# Altium PCB ETRX_Shield_II.PcbDoc (part 1 of 2) (continued)
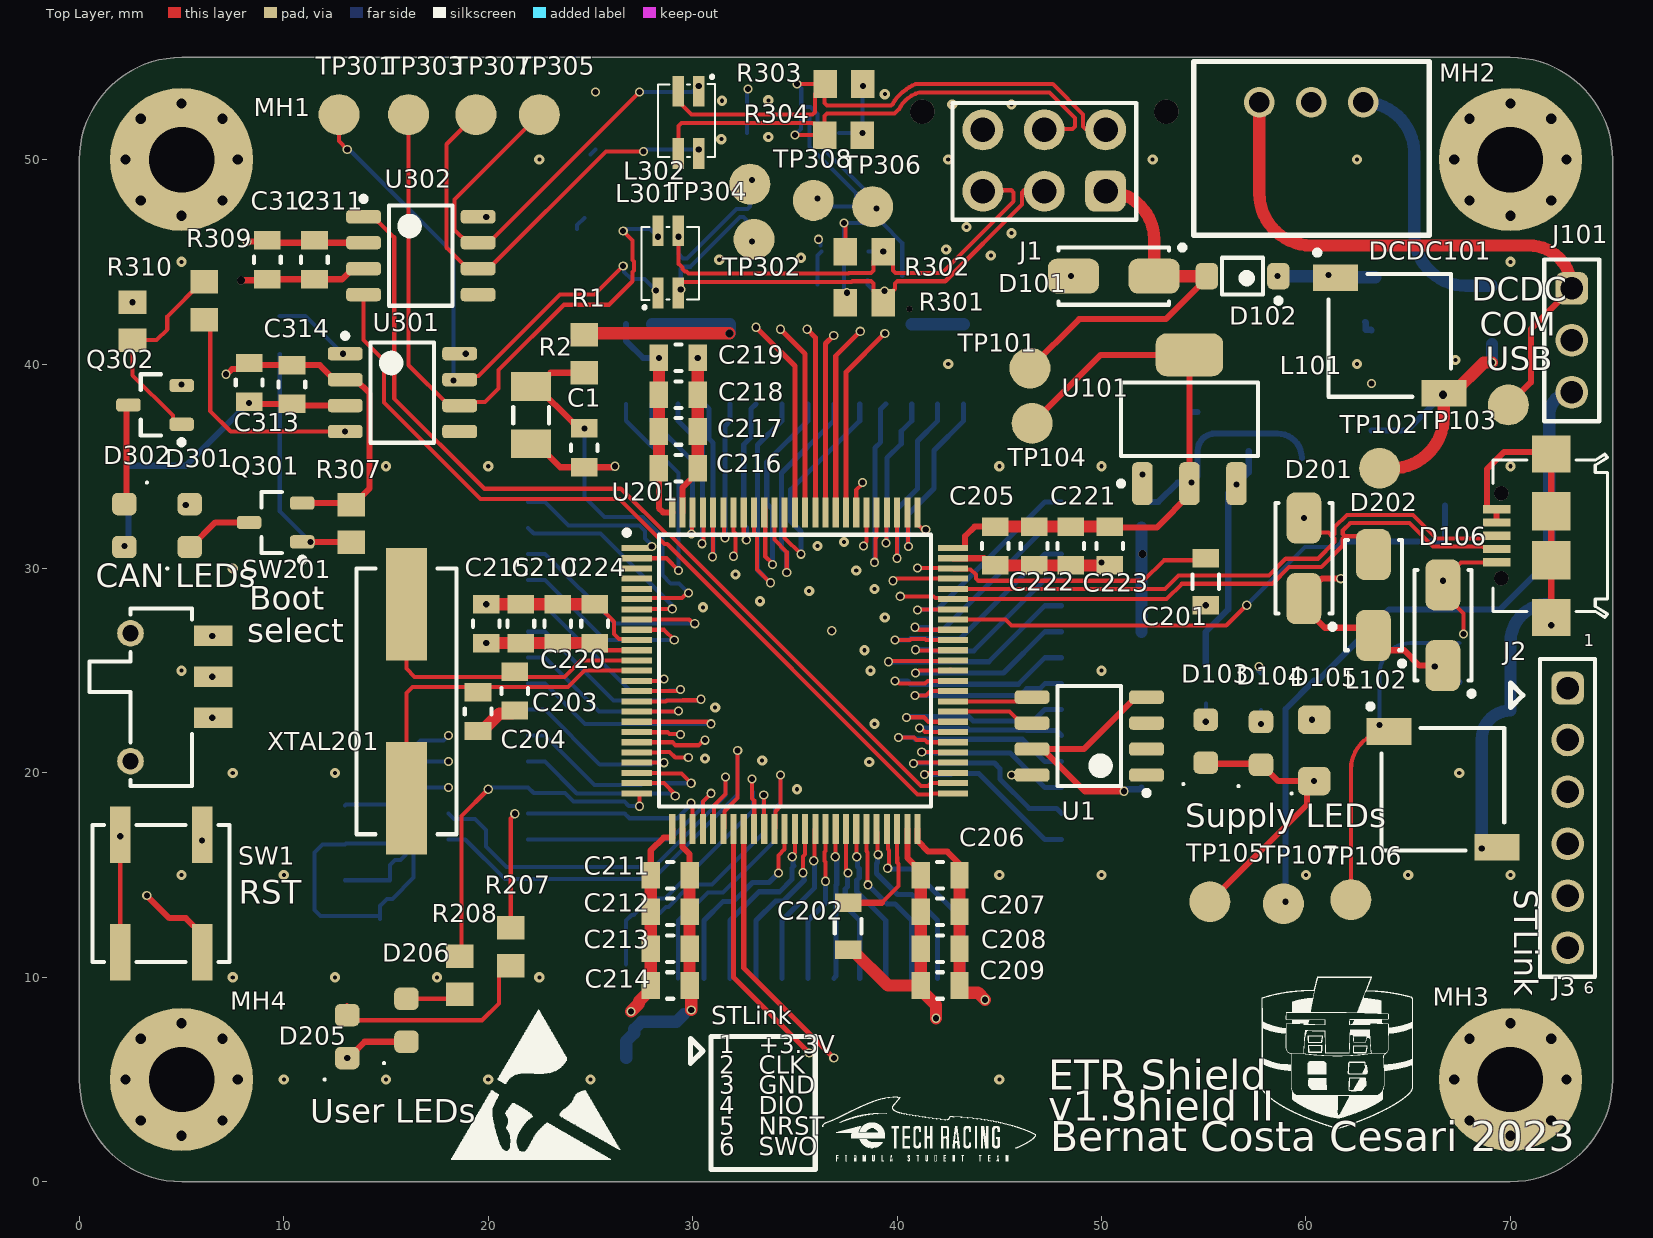
[diagram p0: Top Layer view]
## Components (designator, comment, footprint, x,y, rotation, side; value= is the part's Value field where it differs from the comment)
C1 "885012207098" C0805FNPC-R 24.7,35.9 r270 top
C2 "885012208058" C1206FNPC-RW 4.7,14 r180 bottom
C101 "10uF" C0805FNPC-W 61.1,43.2 r270 bottom
C102 "10uF" C0805FNPC-W 63.4,43.1 r270 bottom
C103 "10uF" C0805FNPC-W 63.2,37.9 r90 bottom
C104 "885012107014" C0805FNPC-R 57.2,36.7 r90 bottom
C105 "885012107014" C0805FNPC-R 54.7,36.7 r270 bottom
C106 "885012207098" C0805FNPC-R 65.1,25.4 r270 bottom
C107 "885012207103" C0805FNPC-R 67.5,25.4 r270 bottom
C108 "10uF" C0805FNPC-W 63.6,21.2 r270 bottom
C109 "10uF" C0805FNPC-W 70,21.9 r270 bottom
C201 "2.2uF" C0805FNPC-W 55.1,29.35 r270 top
C202 "2.2uF" C0805FNPC-W 37.6,12.5 r270 top
C203 "885012007052" C0805FNPC-R 21.3,24 r90 top
C204 "885012007052" C0805FNPC-R 19.5,23 r90 top
C205 "885012207098" C0805FNPC-R 44.8,31.1 r270 top
C206 "885012207098" C0805FNPC-R 42.1,15 r180 top
C207 "885012207098" C0805FNPC-R 42.1,13.2 r180 top
C208 "885012207098" C0805FNPC-R 42.1,11.4 r180 top
C209 "885012207098" C0805FNPC-R 42.1,9.6 r180 top
C210 "885012207098" C0805FNPC-R 21.6,27.3 r90 top
C211 "885012207098" C0805FNPC-R 28.9,15 r180 top
C212 "885012207098" C0805FNPC-R 28.9,13.2 r180 top
C213 "885012207098" C0805FNPC-R 28.9,11.4 r180 top
C214 "885012207098" C0805FNPC-R 28.9,9.6 r180 top
C215 "885012207098" C0805FNPC-R 19.9,27.3 r90 top
C216 "885012207098" C0805FNPC-R 29.3,34.9 r0 top
C217 "885012207098" C0805FNPC-R 29.3,36.7 r0 top
C218 "885012207098" C0805FNPC-R 29.3,38.5 r0 top
C219 "885012207098" C0805FNPC-R 29.3,40.3 r0 top
C220 "885012207098" C0805FNPC-R 23.4,27.3 r90 top
C221 "885012207098" C0805FNPC-R 48.5,31.1 r270 top
C222 "885012207098" C0805FNPC-R 46.7,31.1 r270 top
C223 "885012207098" C0805FNPC-R 50.4,31.1 r270 top
C224 "885012207098" C0805FNPC-R 25.2,27.3 r90 top
C225 "885012207103" C0805FNPC-R 15,17.5 r270 bottom
C226 "885012207098" C0805FNPC-R 12.8,17.4 r270 bottom
C227 "885012207103" C0805FNPC-R 14.7,13.8 r270 bottom
C228 "885012207098" C0805FNPC-R 12.7,13.8 r270 bottom
C231 "885012207098" C0805FNPC-R 64,30.4 r270 bottom
C232 "885012207103" C0805FNPC-R 61.7,30.45 r270 bottom
C301 "885012007057" C0805FNPC-W 25.5,44.7 r180 bottom
C302 "885012007057" C0805FNPC-W 25.5,46.6 r0 bottom
C303 "885012007057" C0805FNPC-W 37.4,44.1 r180 bottom
C304 "885012007057" C0805FNPC-W 37.4,45.8 r180 bottom
C305 "885012007057" C0805FNPC-W 41.4,44.3 r180 bottom
C306 "885012007057" C0805FNPC-W 26.4,53.3 r180 bottom
C307 "885012007057" C0805FNPC-W 26.4,50.5 r0 bottom
C308 "885012007057" C0805FNPC-W 33.9,53.5 r180 bottom
C309 "885012007057" C0805FNPC-W 33.8,51.3 r180 bottom
C310 "885012007057" C0805FNPC-W 38.3,51.3 r180 bottom
C311 "885012207098" C0805FNPC-R 11.5,45.1 r90 top
C312 "885012207098" C0805FNPC-R 9.2,45.1 r90 top
C313 "885012207098" C0805FNPC-R 8.3,39.1 r90 top
C314 "885012207098" C0805FNPC-R 10.4,39 r90 top
D101 "824501261" DTVS-DO-214AC 50.6,44.3 r0 top
D102 "MBR0530" DSC-SOD123 56.9,44.3 r180 top
D103 "150080GS75000" LED_0805_WE 55.1,21.55 r90 top
D104 "150080GS75000" LED_0805_WE 57.8,21.45 r90 top
D105 "150120BS75000" LED_1206_WE 60.4,21.1 r90 top
D106 "824501131" DTVS-DO-214AC 66.7,27.225 r270 top
D201 "824501600" DTVS-DO-214AC 59.9,30.5 r270 top
D202 "824501600" DTVS-DO-214AC 63.3,28.7 r270 top
D205 "150080RS75000" LED_0805_WE 13.1,7.1 r90 top
D206 "150080RS75000" LED_0805_WE 16,7.9 r90 top
D301 "150080YS75000" LED_0805_WE 5.4,32.1 r90 top
D302 "150080YS75000" LED_0805_WE 2.2,32.1 r270 top
DCDC101 "173010542" DCDC_Magi3c 60.26,52.8 r0 top
F101 "0437001.WRA" Fuse_1206 69.1,42.4 r90 bottom
F102 "0437001.WRA" Fuse_1206 71.9,29.7 r90 bottom
J1 "Molex Micro Fit 2x3" J_MicroFit_2x3_V 47.2,50.4 r0 top
J2 "629105136821" 629105136821 72,31.6 r90 top
J3 "6 pin header" 61300611121 72.8,17.8 r270 top
J4 "62132821021" 62132821021 20,25 r90 bottom locked
J5 "62132821021" 62132821021 35,8 r0 bottom
J6 "62132821021" 62132821021 50,25 r270 bottom locked
J7 "62132821021" 62132821021 35,40 r0 bottom locked
J101 "3 pin header" J_PINHEADER_1x3 73,41.16 r270 top
L101 "47uH" L_47u-490mA_CF 64.1,41.4 r0 top
L102 "47uH" L_47u-490mA_CF 66.7,19.2 r0 top
L301 "DLW32SH510XF2" "CMC-51uH Choke" 28.8,45 r90 top
L302 "DLW32SH510XF2" "CMC-51uH Choke" 29.8,51.825 r270 top
MH1 "Mounting_Hole_M3" Mounting_Hole_M3 5,50 r0 top
MH2 "Mounting_Hole_M3" Mounting_Hole_M3 70,50 r0 top
MH3 "Mounting_Hole_M3" Mounting_Hole_M3 70,5 r0 top
MH4 "Mounting_Hole_M3" Mounting_Hole_M3 5,5 r0 top
Q301 "BC817-25LT1G" TRT-NPN-0.5/45-SOT23 9.6,32.25 r180 top
Q302 "BC817-25LT1G" TRT-NPN-0.5/45-SOT23 3.7,38 r180 top
R1 "549kR" R0805FTK 24.7,40.5 r270 top
R2 "CR1206AFX-6802EAS" R1206FTK-W 22.1,37.5 r270 top
R101 "CR0805-FX-4700GLF" R0805FTK 55.1,24.325 r270 bottom
R102 "CR0805-FX-1000ELF" R0805FTK 57.8,24 r270 bottom
R103 "CR0805-FX-4700GLF" R0805FTK 60.5,23.6 r90 bottom
R201 "620kR" R0805FTK 66.7,30.4 r90 bottom
R202 "430kR" R0805FTK 66.8,34 r90 bottom
R203 "CRCW12061K60FKEA" R1206FTK-W 59.8,34 r90 bottom
R207 "CR0805-FX-1000ELF" R0805FTK 21.1,11.5 r90 top
R208 "CR0805-FX-1000ELF" R0805FTK 18.6,10.1 r90 top
R301 "R60-0805FTN" R0805FTK 38.4,43 r0 top value=60R
R302 "R60-0805FTN" R0805FTK 38.4,45.5 r0 top value=60R
R303 "R60-0805FTN" R0805FTK 37.4,53.7 r180 top value=60R
R304 "R60-0805FTN" R0805FTK 37.375,51.2 r180 top value=60R
R305 "CR0805-FX-4700GLF" R0805FTK 5.1,34.1 r270 bottom
R306 "47k" R0805FTK 9.8,41.425 r270 bottom
R307 "22kR" R0805FTK 13.3,32.2 r90 top
R308 "CR0805-FX-4700GLF" R0805FTK 2.4,34.1 r270 bottom
R309 "47k" R0805FTK 6.1,43.1 r90 top
R310 "22kR" R0805FTK 2.6,42.1 r90 top
SW1 "430773034825" WS-TASV_L6W6H3.4_4307x30348xx 4,14.1 r90 top
SW201 "450405020524" 450405020524 4,23.7 r270 top
TP101 "TestPoint" TestPoint 46.5,39.8 r90 top
TP102 "TestPoint" TestPoint 63.6,34.9 r90 top
TP103 "TestPoint" TestPoint 69.9,38 r90 top
TP104 "TestPoint" TestPoint 46.6,37.1 r90 top
TP105 "TestPoint" TestPoint 55.3,13.7 r90 top
TP106 "TestPoint" TestPoint 62.2,13.8 r90 top
TP107 "TestPoint" TestPoint 58.9,13.6 r90 top
TP301 "TestPoint" TestPoint 12.7,52.2 r90 top
TP302 "TestPoint" TestPoint 33,46.1 r90 top
TP303 "TestPoint" TestPoint 16.1,52.2 r90 top
TP304 "TestPoint" TestPoint 32.8,48.8 r90 top
TP305 "TestPoint" TestPoint 22.5,52.2 r90 top
TP306 "TestPoint" TestPoint 38.8,47.7 r90 top
TP307 "TestPoint" TestPoint 19.4,52.2 r90 top
TP308 "TestPoint" TestPoint 35.9,48 r90 top
U1 "24AA024H-I/SN" "SOIC, 8-Leads 1,27mm" 49.4,21.8 r180 top
U101 "LM1117IMP-3.3/NOPB" LDO_10V-0.8/3V3-SOT223 54.3,37.3 r90 top
U201 "STM32F777VIT6" QFP50P1600X1600X160-100N 35,25 r0 top locked
U301 "MCP2551 I/SN" "SOIC, 8-Leads 1,27mm" 15.8,38.6 r0 top
U302 "MCP2551 I/SN" "SOIC, 8-Leads 1,27mm" 16.7,45.3 r0 top
XTAL201 "830028710" XTAL20M_SMD 16,23.5 r90 top

## Footprints (in the part's own frame and the unit in brackets; to place one, negate y for a bottom-side part, rotate by r counter-clockwise, add the part's x,y. Pads: shape width x height; smd on the part's side, far side on the other; paste and mask are expansions set on the pad)
61300611121 [mm] "Pin Header, pitch 2.54 mm, THT, Vertical, single row, 6p"
  rrect50% 1.6x1.6 hole 1.1: 1(-6.35,0)
  round 1.6 hole 1.1: 2(-3.81,0) 3(-1.27,0) 4(1.27,0) 5(3.81,0) 6(6.35,0)
  silkscreen extent -7.77,-1.35 7.77,1.35, body extent -7.62,-1.27 7.62,1.27, height 8.57
62132821021 [mm] "Pin Header, pitch 1.27 mm, SMD, Vertical, dual row, 28p"
  rect 0.75x2.4 smd: 1(-8.255,-1.95) 2(-8.255,1.95) 3(-6.985,-1.95) 4(-6.985,1.95) 5(-5.715,-1.95) 6(-5.715,1.95) 7(-4.445,-1.95) 8(-4.445,1.95) 9(-3.175,-1.95) 10(-3.175,1.95) 11(-1.905,-1.95) 12(-1.905,1.95) 13(-0.635,-1.95) 14(-0.635,1.95) 15(0.635,-1.95) 16(0.635,1.95) 17(1.905,-1.95) 18(1.905,1.95) 19(3.175,-1.95) 20(3.175,1.95) 21(4.445,-1.95) 22(4.445,1.95) 23(5.715,-1.95) 24(5.715,1.95) 25(6.985,-1.95) 26(6.985,1.95) 27(8.255,-1.95) 28(8.255,1.95)
  body extent -8.89,-2.55 8.89,2.55, height 5.9
450405020524 [mm] "SMT Mini Slide Switch, Same side connection"
  rect 1x1.9 smd: COM(1,2.55) L1(-3,2.55) L2(-1,2.55)
  round 1.3 hole 0.8: MH1(-3.125,-1.5) MH2(3.125,-1.5)
  silkscreen extent -4.35,-3.5 4.35,1.5, body extent -4.45,-3.5 4.45,3.05, height 1.98
629105136821 [mm] "Micro USB 2.0 SMT Type B Horizontal 5 Contacts"
  rect 0.4x1.35 smd: 1(-1.3,2.675) 2(-0.65,2.675) 3(0,2.675) 4(0.65,2.675) 5(1.3,2.675)
  round 0.7 hole 0.7 unplated: MH1(-2.075,2.45) MH2(2.075,2.45)
  rect 1.8x1.9 smd: Shell(-4,0) Shell(4,0)
  rect 1.9x1.9 smd: Shell(-1.2,0) Shell(1.2,0)
  silkscreen extent -4,-2.75 4,2.85, body extent -4,-2.73 4,3.17, height 2.69
C0805FNPC-R [mm]
  rect 0.9x1.3 smd: 1(-0.95,0) 2(0.95,0)
  silkscreen extent -0.15,-0.65 0.15,0.65, body extent -1.03,-0.63 0.97,0.63, height 0.96
C0805FNPC-W [mm]
  rect 0.9x1.3 smd: 1(-1.15,0) 2(1.15,0)
  silkscreen extent -0.35,-0.65 0.35,0.65, body extent -1,-0.63 1,0.63, height 0.96
C1206FNPC-RW [mm] "Chip Capacitor, 2-Leads, Body 3,20x1,60mm, IPC Medium Density"
  rect 1.2x1.6 smd: 1(-1.55,0) 2(1.55,0)
  silkscreen extent -0.35,-0.7 0.35,0.7, body extent -1.59,-0.77 1.61,0.83, height 0.91
"CMC-51uH Choke" [mm]
  rect 1.5x0.55 smd: 1(-1.525,0.5) 2(1.525,0.5) 3(1.525,-0.5) 4(-1.525,-0.5)
  silkscreen extent -2.25,-1.5 1.7,1.3
DCDC_Magi3c [mm]
  round 1.5 hole 1: 1(2.54,0) 2(0,0) 3(-2.54,0)
  silkscreen extent -5.75,-6.5 5.77,2, body extent -5.8,-6.5 5.8,2, height 10.2
DSC-SOD123 [mm] "SOIC, 2-Leads, Body 1,60x2,69mm, Pitch 1,27mm, IPC Low Density"
  rrect50% 1.1x1.3 smd: A(1.75,0) K(-1.75,0)
  silkscreen extent -1.88,-0.9 1,1.32, body extent -1.86,-0.8 1.86,0.8, height 1.36
DTVS-DO-214AC [mm] "Molded Diode, 2-Leads, Body 5,11x2,67mm, IPC Medium Density"
  rrect50% 2.5x1.7 smd: 1(-1.975,0) 2(1.975,0)
  silkscreen extent -2.7,-1.4 3.48,1.52, body extent -2.56,-1.34 2.56,1.34, height 2.5
Fuse_1206 [mm] "Chip Resistor, 2-Leads, Body 3,20x1,58mm, IPC Medium Density"
  rrect50% 1.25x1.75 smd: 1(-1.425,0) 2(1.425,0)
  silkscreen extent -0.4,-0.77 0.4,0.77, body extent -1.6,-0.79 1.6,0.79, height 0.86
J_MicroFit_2x3_V [mm]
  rrect50% 2x2 hole 1.2: 1(3,-1.944)
  round 2 hole 1.2: 2(0,-1.944) 3(-3,-1.944) 4(3,1.055) 5(0,1.055) 6(-3,1.055)
  round 1.2 hole 1.2: 7(-5.969,1.944) 7(5.969,1.944)
  silkscreen extent -4.5,-3.34 4.5,2.37, body extent -6.57,-4.41 6.58,4.36, height 9.92
J_PINHEADER_1x3 [mm] "Pin Header, pitch 2.54 mm, THT, Vertical, single row, 3p"
  rrect50% 1.6x1.6 hole 1.1: 1(-2.54,0)
  round 1.6 hole 1.1: 2(0,0) 3(2.54,0)
  silkscreen extent -3.96,-1.35 3.96,1.35, body extent -3.81,-1.27 3.81,1.27, height 8.57
L_47u-490mA_CF [mm] "Precision Wire Wound Inductor, 2-Leads, Body 5,80x5,80mm, IPC Medium Density"
  rect 2.2x1.3 smd: 1(-2.65,2.825) 2(2.643,-2.832)
  silkscreen extent -3.67,-3 3,4.17, body extent -3,-3 3,3, height 2.5
LDO_10V-0.8/3V3-SOT223 [mm] "SOT223, 4-Leads, Body 6,50x7,00mm (avg), Pitch 2,30mm, IPC Low Density"
  rrect50% 2.1x1 smd: 1(-3.15,2.3) 2(-3.15,0) 3(-3.15,-2.3)
  rrect50% 2.1x3.3 smd: 4(3.15,0)
  silkscreen extent -3.27,-3.35 1.8,3.47, body extent -3.5,-3.25 3.5,3.25, height 1.81
LED_0805_WE [mm] "SODFL, 2-Leads, Body 1,60x3,20mm, IPC Medium Density"
  rrect50% 1.1x1.2 smd: A(1.05,0) K(-1.05,0)
  silkscreen extent -2.15,1.05 -2.05,1.15, body extent -1,-0.62 1,0.63, height 0.7
LED_1206_WE [mm] "SODFL, 2-Leads, Body 1,60x3,20mm, IPC Medium Density"
  rrect50% 1.4x1.6 smd: A(1.5,0) K(-1.5,0)
  silkscreen extent -2.15,1.05 -2.05,1.15, body extent -1.6,-0.8 1.6,0.8, height 0.68
Mounting_Hole_M3 [mm]
  round 7 hole 3.2: 1(0,0)
QFP50P1600X1600X160-100N [mm]
  rect 1.475x0.3 smd: 1(-7.738,6) 2(-7.738,5.5) 3(-7.738,5) 4(-7.738,4.5) 5(-7.738,4) 6(-7.738,3.5) 7(-7.738,3) 8(-7.738,2.5) 9(-7.738,2) 10(-7.738,1.5) 11(-7.738,1) 12(-7.738,0.5) 13(-7.738,0) 14(-7.738,-0.5) 15(-7.738,-1) 16(-7.738,-1.5) 17(-7.738,-2) 18(-7.738,-2.5) 19(-7.738,-3) 20(-7.738,-3.5) 21(-7.738,-4) 22(-7.738,-4.5) 23(-7.738,-5) 24(-7.738,-5.5) 25(-7.738,-6) 51(7.738,-6) 52(7.738,-5.5) 53(7.738,-5) 54(7.738,-4.5) 55(7.738,-4) 56(7.738,-3.5) 57(7.738,-3) 58(7.738,-2.5) 59(7.738,-2) 60(7.738,-1.5) 61(7.738,-1) 62(7.738,-0.5) 63(7.738,0) 64(7.738,0.5) 65(7.738,1) 66(7.738,1.5) 67(7.738,2) 68(7.738,2.5) 69(7.738,3) 70(7.738,3.5) 71(7.738,4) 72(7.738,4.5) 73(7.738,5) 74(7.738,5.5) 75(7.738,6)
  rect 0.3x1.475 smd: 26(-6,-7.738) 27(-5.5,-7.738) 28(-5,-7.738) 29(-4.5,-7.738) 30(-4,-7.738) 31(-3.5,-7.738) 32(-3,-7.738) 33(-2.5,-7.738) 34(-2,-7.738) 35(-1.5,-7.738) 36(-1,-7.738) 37(-0.5,-7.738) 38(0,-7.738) 39(0.5,-7.738) 40(1,-7.738) 41(1.5,-7.738) 42(2,-7.738) 43(2.5,-7.738) 44(3,-7.738) 45(3.5,-7.738) 46(4,-7.738) 47(4.5,-7.738) 48(5,-7.738) 49(5.5,-7.738) 50(6,-7.738) 76(6,7.738) 77(5.5,7.738) 78(5,7.738) 79(4.5,7.738) 80(4,7.738) 81(3.5,7.738) 82(3,7.738) 83(2.5,7.738) 84(2,7.738) 85(1.5,7.738) 86(1,7.738) 87(0.5,7.738) 88(0,7.738) 89(-0.5,7.738) 90(-1,7.738) 91(-1.5,7.738) 92(-2,7.738) 93(-2.5,7.738) 94(-3,7.738) 95(-3.5,7.738) 96(-4,7.738) 97(-4.5,7.738) 98(-5,7.738) 99(-5.5,7.738) 100(-6,7.738)
  silkscreen extent -8.35,-6.65 6.65,6.87
R0805FTK [mm] "Chip Resistor, 2-Leads, Body 2,00x1,25mm, IPC Medium Density"
  rect 1.15x1.35 smd: 1(-0.925,0) 2(0.925,0)
  body extent -1,-0.63 1,0.63, height 0.65
R1206FTK-W [mm] "Chip Resistor, 2-Leads, Body 3,15x1,60mm, IPC Medium Density"
  rect 1.4x1.95 smd: 1(-1.4,0) 2(1.4,0)
  silkscreen extent -0.4,-0.87 0.4,0.87, body extent -1.58,-0.8 1.58,0.8, height 0.61
"SOIC, 8-Leads 1,27mm" [mm] "SOIC, 8-Leads, Body 4,90x3,90mm, Pitch 1,27mm, IPC Low Density"
  rrect50% 1.7x0.65 smd: 1(-2.8,1.905) 2(-2.8,0.635) 3(-2.8,-0.635) 4(-2.8,-1.905) 5(2.8,-1.905) 6(2.8,-0.635) 7(2.8,0.635) 8(2.8,1.905)
  silkscreen extent -2.93,-2.45 1.55,2.9, body extent -2.98,-2.43 3.02,2.47, height 1.76
TestPoint [mm]
  round 2 smd: 1(0,0)
TRT-NPN-0.5/45-SOT23 [mm] "SOT23, 3-Leads, Body 2,92x2,37mm, Pitch 0,95mm, IPC Low Density"
  rrect50% 1.2x0.65 smd: B(-1.3,0.95) C(1.3,0) E(-1.3,-0.95)
  silkscreen extent -1.42,-1.5 0.7,1.95, body extent -1.18,-1.46 1.19,1.46, height 1.12
WS-TASV_L6W6H3.4_4307x30348xx [mm] "SMD Tact Switch, body 6x6mm"
  rect 2.75x1 smd: A1(-2.875,2) A2(2.875,2) B1(-2.875,-2) B2(2.875,-2)
  silkscreen extent -3.35,-3.35 3.35,3.35, body extent -3.4,-3.1 3.4,3.1, height 3.4
XTAL20M_SMD [mm]
  rect 5.5x2 smd: 1(-4.75,0) 2(4.75,0)
  silkscreen extent -6.5,-2.45 6.5,2.45, body extent -6.65,-2.47 6.65,2.48, height 4.3

## Part data
C1 C106 C205 C206 C207 C208 C209 C210 C211 C212 C213 C214 C215 C216 C217 C218 C219 C220 C221 C222 C223 C224 C226 C228 C231 C311 C312 C313 C314: library part C100n-50V-0805FNPC-X7R, "Cap, 0.1ΜF, 50V, 10%, X7R, 0805", Capacitance=100nF, Case Code (Imperial)=0805, Case Code (Metric)=2012, Dielectric=X7R, Manufacturer 1="Wurth Electronics", Max Operating Temperature=125°C, Min Operating Temperature=-55°C, Supplier Part Number 1=1813493, Tolerance=10%, Voltage Rating=50V, .Creator=DR, Case/Package=0805, Category="Ceramic Capacitors", ComponentLink1Description=http://www.farnell.com/datasheets/1958498.pdf?src-supplier=Farnell, ComponentLink1URL=http://www.farnell.com/datasheets/1958498.pdf?src-supplier=Farnell, ComponentLink2Description=http://www.farnell.com/datasheets/1958498.pdf?src-supplier=Element14, ComponentLink2URL=http://www.farnell.com/datasheets/1958498.pdf?src-supplier=Element14, ComponentLink3Description=https://katalog.we-online.de/pbs/datasheet/885012207098.pdf?src-supplier=Digi-Key, ComponentLink3URL=https://katalog.we-online.de/pbs/datasheet/885012207098.pdf?src-supplier=Digi-Key, ComponentLink4Description=http://www.farnell.com/datasheets/1958498.pdf?src-supplier=Newark, ComponentLink4URL=http://www.farnell.com/datasheets/1958498.pdf?src-supplier=Newark, Length=0.079inch, Manufacturer Part Number 1=885012207098, Mount="Surface Mount", Packaging="Cut Tape", Pricing 1="100=0,10200, 500=0,07100, 2000=0,06100 (GBP)", REACH SVHC=Unknown, RoHS=Yes, RoHS Compliant=Yes, Stock 1=8000, Supplier 1=RSComponents, Thickness=0.035inch, Voltage Rating (DC)=50V, Width=0.049inch
C2: library part C100n-25V-1206FNPC-X7R, "Cap Cer 0.1UF 25V X7R 1206", Capacitance=100nF, Case Code (Imperial)=1206, Case Code (Metric)=3216, Manufacturer="Wurth Electronics", Max Operating Temperature=125°C, Min Operating Temperature=-55°C, Supplier Part Number 1=732-8109-1-ND, Tolerance=10%, Voltage Rating=25V, .Creator=DO, Case/Package=1206, Category=Capacitor, ComponentLink1Description=Datasheet, ComponentLink1URL=https://www.we-online.com/catalog/datasheet/885012208058.pdf, ComponentLink2Description="Where buy it", ComponentLink2URL=https://www.we-online.com/catalog/en/WCAP-CSGP-25VDC#885012208058, ComponentLink3Description=https://katalog.we-online.de/pbs/datasheet/885012208058.pdf?src-supplier=Digi-Key, ComponentLink3URL=https://katalog.we-online.de/pbs/datasheet/885012208058.pdf?src-supplier=Digi-Key, Length=0.126inch, Manufacturer Part Number=885012208058, Mount="Surface Mount", Packaging="Tape and Reel", Pricing 1="1=0,11000, 10=0,10100, 100=0,09100, 500=0,08000 (USD)", RoHS=Yes, RoHS Compliant=Yes, Stock 1=4375, Supplier 1=Digi-Key, Thickness=0.035inch, Width=0.063inch
C101 C102 C103 C108 C109: library part C10uF-50V-0805FNPC
C104 C105: library part C10u-16V-0805FNPC-X5R, "Multilayer Ceramic Capacitor, Wcap-Csgp Series, 10 F, 20%, X5R, 16 V, 0805 [2012 Metric] Rohs Compliant: Yes", Capacitance=10uF, Case Code (Imperial)=0805, Case Code (Metric)=2012, Dielectric=X5R, Manufacturer 1="Wurth Electronics", Max Operating Temperature=85°C, Min Operating Temperature=-55°C, Supplier Part Number 1=1813526, Tolerance=20%, Voltage Rating=16V, .Creator=DR, Case/Package=0805, Category="Ceramic Capacitors", ComponentLink1Description=http://www.farnell.com/datasheets/1958454.pdf?src-supplier=Farnell, ComponentLink1URL=http://www.farnell.com/datasheets/1958454.pdf?src-supplier=Farnell, ComponentLink2Description=http://www.farnell.com/datasheets/1958454.pdf?src-supplier=Element14, ComponentLink2URL=http://www.farnell.com/datasheets/1958454.pdf?src-supplier=Element14, ComponentLink3Description=https://katalog.we-online.de/pbs/datasheet/885012107014.pdf?src-supplier=Digi-Key, ComponentLink3URL=https://katalog.we-online.de/pbs/datasheet/885012107014.pdf?src-supplier=Digi-Key, ComponentLink4Description=http://www.farnell.com/datasheets/1958454.pdf?src-supplier=Newark, ComponentLink4URL=http://www.farnell.com/datasheets/1958454.pdf?src-supplier=Newark, Length=0.079inch, Manufacturer Part Number 1=885012107014, Mount="Surface Mount", Packaging="Cut Tape", Pricing 1="50=0,21000, 250=0,20200, 500=0,19100, 1000=0,17400, 2500=0,14700 (GBP)", REACH SVHC=Unknown, RoHS=Yes, RoHS Compliant=Yes, Stock 1=81550, Supplier 1=RSComponents, Thickness=0.057inch, Voltage Rating (DC)=16V, Width=0.049inch
C107 C225 C227 C232: library part C1u-50V-0805FNPC-X7R, "Multilayer Ceramic Capacitor, Wcap-Csgp Series, 1 F, 10%, X7R, 50 V, 0805 [2012 Metric] Rohs Compliant: Yes", Capacitance=1uF, Case Code (Imperial)=0805, Case Code (Metric)=2012, Dielectric=X7R, Manufacturer 1="Wurth Electronics", Max Operating Temperature=85°C, Min Operating Temperature=-55°C, Supplier Part Number 1=1813523, Tolerance=10%, Voltage Rating=50V, .Creator=GP, Case/Package=0805, Category="Ceramic Capacitors", ComponentLink1Description=http://www.farnell.com/datasheets/1958501.pdf?src-supplier=Farnell, ComponentLink1URL=http://www.farnell.com/datasheets/1958501.pdf?src-supplier=Farnell, ComponentLink2Description=http://www.farnell.com/datasheets/1958501.pdf?src-supplier=Element14, ComponentLink2URL=http://www.farnell.com/datasheets/1958501.pdf?src-supplier=Element14, ComponentLink3Description=https://katalog.we-online.de/pbs/datasheet/885012107003.pdf?src-supplier=Digi-Key, ComponentLink3URL=https://katalog.we-online.de/pbs/datasheet/885012107003.pdf?src-supplier=Digi-Key, ComponentLink4Description=http://www.farnell.com/datasheets/1958501.pdf?src-supplier=Newark, ComponentLink4URL=http://www.farnell.com/datasheets/1958501.pdf?src-supplier=Newark, Length=0.079inch, Manufacturer Part Number 1=885012207103, Mount="Surface Mount", Packaging="Cut Tape", Pricing 1="50=0,27200, 250=0,25300, 500=0,22800, 1250=0,20100, 2500=0,17100 (GBP)", REACH SVHC=Unknown, RoHS=Yes, RoHS Compliant=Yes, Stock 1=5100, Supplier 1=RSComponents, Thickness=0.053inch, Voltage Rating (DC)=50V, Width=0.049inch
C201 C202: library part C2.2u-16V-0805FTK
C203 C204: library part C15p-50V-0805FNPC-NP0, "Cap, 15PF, 50V, 5%, C0G/NP0, 0805", Capacitance=15pF, Case Code (Imperial)=0805, Case Code (Metric)=2012, Manufacturer 1="Wurth Electronics", Max Operating Temperature=125°C, Min Operating Temperature=-55°C, Supplier Part Number 1=15AC9316, Tolerance=5%, Voltage Rating=50V, .Creator=DR, Case/Package=0805, Category="Ceramic Capacitors", ComponentLink1Description=http://www.farnell.com/datasheets/2031702.pdf?src-supplier=Farnell, ComponentLink1URL=http://www.farnell.com/datasheets/2031702.pdf?src-supplier=Farnell, ComponentLink2Description=http://katalog.we-online.de/pbs/datasheet/885012007052.pdf?src-supplier=Digi-Key, ComponentLink2URL=http://katalog.we-online.de/pbs/datasheet/885012007052.pdf?src-supplier=Digi-Key, ComponentLink3Description=https://katalog.we-online.de/pbs/datasheet/885012007052.pdf?src-supplier=Digi-Key, ComponentLink3URL=https://katalog.we-online.de/pbs/datasheet/885012007052.pdf?src-supplier=Digi-Key, Length=0.079inch, Manufacturer Part Number 1=885012007052, Mount="Surface Mount", Packaging="Cut Tape", Pricing 1="1=0,10800, 10=0,05200, 25=0,05100, 50=0,04900, 100=0,04800, 250=0,04600, 500=0,04300 (USD)", RoHS=Yes, RoHS Compliant=Yes, Stock 1=815, Supplier 1=Newark, Thickness=0.028inch, Width=0.049inch
C301 C302 C303 C304 C305 C306 C307 C308 C309 C310: library part C100p-50V-0805FNPC-C0G/NP0, "Multilayer Ceramic Capacitor, Wcap-Csgp Series, 100 Pf, 5%, C0G / Np0, 50 V, 0805 [2012 Metric] Rohs Compliant: Yes", Capacitance=100pF, Case Code (Imperial)=0805, Case Code (Metric)=2012, Dielectric=C0G, Manufacturer="Wurth Electronics", Max Operating Temperature=125°C, Min Operating Temperature=-55°C, Supplier Part Number 1=1813930, Tolerance=5%, Voltage Rating=50V, .Creator=DR, Case/Package=0805, Category="Ceramic Capacitors", ComponentLink1Description=http://www.farnell.com/datasheets/1958443.pdf?src-supplier=Farnell, ComponentLink1URL=http://www.farnell.com/datasheets/1958443.pdf?src-supplier=Farnell, ComponentLink2Description=https://katalog.we-online.de/pbs/datasheet/885012007057.pdf?src-supplier=Digi-Key, ComponentLink2URL=https://katalog.we-online.de/pbs/datasheet/885012007057.pdf?src-supplier=Digi-Key, ComponentLink3Description=http://www.farnell.com/datasheets/1958443.pdf?src-supplier=Element14, ComponentLink3URL=http://www.farnell.com/datasheets/1958443.pdf?src-supplier=Element14, ComponentLink4Description=http://www.farnell.com/datasheets/1958443.pdf?src-supplier=Newark, ComponentLink4URL=http://www.farnell.com/datasheets/1958443.pdf?src-supplier=Newark, ComponentLink5Description="Where buy it", ComponentLink5URL=https://www.we-online.com/catalog/en/WCAP-CSGP-50VDC#885012007057, Length=0.079inch, Manufacturer Part Number=885012007057, Mount="Surface Mount", Packaging="Cut Tape", Pricing 1="4000=0,03900, 12000=0,03800 (USD)", REACH SVHC=Unknown, RoHS=Yes, RoHS Compliant=Yes, Stock 1=1, Supplier 1=RSComponents, Thickness=0.035inch, Voltage Rating (DC)=50V, Width=0.049inch
D101: library part DTVS-26V-DO-214AC, "TVS diode [Würth Elektronik] 824501261 TVS diode", Clamping Voltage=42.1V, Manufacturer="Wurth Electronics", Max Breakdown Voltage=30.4V, Max Operating Temperature=150°C, Min Operating Temperature=-65°C, Peak Pulse Current=9.5A, Peak Pulse Power=400W, Power Line Protection=No, Resistor Type=Zener, Reverse Standoff Voltage=26V, Supplier Part Number 1=9217305, .Creator=DO, Category="TVS Diodes", ComponentLink1Description=http://www.farnell.com/datasheets/2036389.pdf?src-supplier=Farnell, ComponentLink1URL=http://www.farnell.com/datasheets/2036389.pdf?src-supplier=Farnell, ComponentLink2Description=http://www.farnell.com/datasheets/2036389.pdf?src-supplier=Element14, ComponentLink2URL=http://www.farnell.com/datasheets/2036389.pdf?src-supplier=Element14, ComponentLink3Description=https://katalog.we-online.de/pbs/datasheet/824501261.pdf?src-supplier=Digi-Key, ComponentLink3URL=https://katalog.we-online.de/pbs/datasheet/824501261.pdf?src-supplier=Digi-Key, ComponentLink4Description="Where buy it", ComponentLink4URL=https://www.we-online.com/catalog/en/WE-TVSP?sq=824501261#824501261, Manufacturer Part Number=824501261, Min Breakdown Voltage=30.4V, Mount="Surface Mount", Number of Bidirectional Channels=1, Number of Pins=2, Packaging="Cut Tape", Polarity=Bidirectional, Pricing 1="50=0,29400, 250=0,26100, 500=0,21200, 1000=0,20100, 2000=0,19600 (USD)", REACH SVHC=Unknown, RoHS=Yes, RoHS Compliant=Yes, Stock 1=1, Supplier 1=RSComponents
D102: library part DSC-0.5/30-SOD123, "VR=30V IF=500mA 30pF P=410mW", Average Rectified Current=500mA, Forward Voltage=430mV, Max Forward Surge Current (Ifsm)=5.5A, Max Repetitive Reverse Voltage (Vrrm)=30V, Max Reverse Current=130uA, Package Quantity=1, Supplier Part Number 1=15R3453, .Creator=GP, Category=Diode, ComponentLink1Description=Datasheet, ComponentLink2Description="Where buy it", ComponentLink3Description=https://datasheet.ciiva.com/30479/0900766b810e2512-30479401.pdf?src-supplier=RSComponents, ComponentLink3URL=https://datasheet.ciiva.com/30479/0900766b810e2512-30479401.pdf?src-supplier=RSComponents, ComponentLink4Description=https://datasheet.ciiva.com/34301/974753-34301826.pdf?src-supplier=Jameco, ComponentLink4URL=https://datasheet.ciiva.com/34301/974753-34301826.pdf?src-supplier=Jameco, ComponentLink5Description=https://datasheet.ciiva.com/910/mbr0530-910516.pdf?src-supplier=Digi-Key, ComponentLink5URL=https://datasheet.ciiva.com/910/mbr0530-910516.pdf?src-supplier=Digi-Key, ComponentLink6Description=https://datasheet.ciiva.com/25931/mbr0530-25931989.pdf?src-supplier=Avnet+Europe, ComponentLink6URL=https://datasheet.ciiva.com/25931/mbr0530-25931989.pdf?src-supplier=Avnet+Europe, ComponentLink7Description=https://datasheet.ciiva.com/8300/mbr0530-8300905.pdf?src-supplier=Avnet, ComponentLink7URL=https://datasheet.ciiva.com/8300/mbr0530-8300905.pdf?src-supplier=Avnet, ComponentLink8Description=https://datasheet.ciiva.com/17318/mbr0530-17318568.pdf?src-supplier=Future+Electronics, ComponentLink8URL=https://datasheet.ciiva.com/17318/mbr0530-17318568.pdf?src-supplier=Future+Electronics, ComponentLink9Description=https://datasheet.ciiva.com/15144/getdatasheetpartid-86760-15144598.pdf?src-supplier=Verical, ComponentLink9URL=https://datasheet.ciiva.com/15144/getdatasheetpartid-86760-15144598.pdf?src-supplier=Verical, ComponentLink10Description=https://datasheet.ciiva.com/910/mbr0530-910518.pdf?src-supplier=Digi-Key, ComponentLink10URL=https://datasheet.ciiva.com/910/mbr0530-910518.pdf?src-supplier=Digi-Key, Contact Plating=Tin,Matte, Current Rating=500mA, Element Configuration=Single, Forward Current=500mA, Height=1.03mm, Lead Free="Lead Free", Length=2.7mm, Max Reverse Leakage Current=130uA, Max Reverse Voltage (DC)=30V, Max Surge Current=5.5A, Mount="Surface Mount", Output Current=500mA, Peak Non-Repetitive Surge Current=5.5A, Polarity=Standard, Pricing 1="1=0,34400, 10=0,23900, 100=0,12200, 500=0,10000 (USD)", Radiation Hardening=No, REACH SVHC="No SVHC", RoHS Compliant=Yes, Series=-, Stock 1=9, Supplier 1=Newark, Voltage Rating (DC)=30V, Weight=0.03g, Width=1.6mm
D103 D104: library part LEDGS-0805-450, "Led, Green, 520 Nm, 3.2 V, 30 Ma, 450 Mcd Rohs Compliant: Yes", Case Code (Imperial)=0805, Case Code (Metric)=2012, Color=Green, Forward Current=30mA, Forward Voltage=3.2V, Manufacturer 1="Wurth Electronics", Max Operating Temperature=85°C, Min Operating Temperature=-40°C, Package Quantity=4000, Supplier Part Number 1=8154221, Test Current=20mA, .Creator=GP, Case/Package=0805, Category=LEDs, ComponentLink1Description=Datasheet, ComponentLink1URL=https://www.we-online.com/catalog/datasheet/150080GS75000.pdf, ComponentLink2Description="Where buy it", ComponentLink2URL=https://katalog.we-online.de/en/led/WL-SMCW/150080GS75000, ComponentLink3Description=https://datasheet.ciiva.com/29563/150080gs75000-29563008.pdf?src-supplier=Digi-Key, ComponentLink3URL=https://datasheet.ciiva.com/29563/150080gs75000-29563008.pdf?src-supplier=Digi-Key, ComponentLink4Description=https://datasheet.ciiva.com/29279/759434-da-01-en-chipled-0805-w-kl-gruen-150080gs75000-29279039.pdf?src-supplier=Conrad, ComponentLink4URL=https://datasheet.ciiva.com/29279/759434-da-01-en-chipled-0805-w-kl-gruen-150080gs75000-29279039.pdf?src-supplier=Conrad, Dominant Wavelength=520nm, Height=0.7mm, Length=2mm, Lens Style=Clear,Rectangular, Luminous Intensity=450mcd, Manufacturer Part Number 1=150080GS75000, Mount="Surface Mount", Packaging="Cut Tape", Pricing 1="50=0,19300, 500=0,12900, 1000=0,12300, 2000=0,11700, 4000=0,11100 (USD)", REACH SVHC=Unknown, RoHS=Yes, RoHS Compliant=Yes, Stock 1=4350, Supplier 1=RSComponents, Viewing Angle=140°, Wavelength=520nm, Width=1.25mm
D105: library part LEDBS-1206-145, "Led, Blue, 470 Nm, 3.2 V, 30 Ma, 145 Mcd Rohs Compliant: Yes", Case Code (Imperial)=1206, Case Code (Metric)=3216, Color=Blue, Forward Current=30mA, Forward Voltage=3.2V, Manufacturer="Wurth Electronics", Max Operating Temperature=85°C, Min Operating Temperature=-40°C, Package Quantity=3000, Supplier Part Number 1=8154243, Test Current=20mA, .Creator=GP, Case/Package=1206, Category=LEDs, ComponentLink1Description=https://datasheet.ciiva.com/22656/150120bs75000-22656976.pdf?src-supplier=Element14, ComponentLink1URL=https://datasheet.ciiva.com/22656/150120bs75000-22656976.pdf?src-supplier=Element14, ComponentLink2Description=https://datasheet.ciiva.com/29279/759440-da-01-en-chipled-1206-w-kl-blau-150120bs75000-29279045.pdf?src-supplier=Conrad, ComponentLink2URL=https://datasheet.ciiva.com/29279/759440-da-01-en-chipled-1206-w-kl-blau-150120bs75000-29279045.pdf?src-supplier=Conrad, ComponentLink3Description=https://datasheet.ciiva.com/29561/150120bs75000-29561882.pdf?src-supplier=Digi-Key, ComponentLink3URL=https://datasheet.ciiva.com/29561/150120bs75000-29561882.pdf?src-supplier=Digi-Key, ComponentLink4Description="Where buy it", ComponentLink4URL=https://www.we-online.com/catalog/en/WL-SMCW?sq=150120BS75000#150120BS75000, Dominant Wavelength=470nm, Height=0.68mm, Length=3.2mm, Lens Style=Clear,Rectangular, Luminous Intensity=145mcd, Manufacturer Part Number=150120BS75000, Mount="Surface Mount", Packaging="Tape and Reel", Pricing 1="50=0,23200, 500=0,16400, 750=0,15500, 1500=0,15000, 3000=0,14200 (USD)", REACH SVHC=Unknown, RoHS=Yes, RoHS Compliant=Yes, Stock 1=1, Supplier 1=RSComponents, Viewing Angle=140°, Wavelength=470nm, Width=1.6mm
D106: library part DTVS-13V-DO-214AC, "Tvs Diode, 400W, 13V, Bidir, DO-214AC", Clamping Voltage=21.5V, Manufacturer="Wurth Electronics", Max Breakdown Voltage=15.15V, Max Operating Temperature=150°C, Min Operating Temperature=-65°C, Peak Pulse Current=18.6A, Peak Pulse Power=400W, Power Line Protection=No, Resistor Type=Zener, Reverse Standoff Voltage=13V, Supplier Part Number 1=732-824501131CT-ND, .Creator=DO, Category="TVS Diodes", ComponentLink1Description=https://katalog.we-online.de/pbs/datasheet/824501131.pdf?src-supplier=Digi-Key, ComponentLink1URL=https://katalog.we-online.de/pbs/datasheet/824501131.pdf?src-supplier=Digi-Key, ComponentLink2Description=http://www.farnell.com/datasheets/2036399.pdf?src-supplier=Element14, ComponentLink2URL=http://www.farnell.com/datasheets/2036399.pdf?src-supplier=Element14, ComponentLink3Description="Where buy it", ComponentLink3URL=https://www.we-online.com/catalog/en/WE-TVSP?sq=824501131#824501131, Manufacturer Part Number=824501131, Min Breakdown Voltage=15.15V, Mount="Surface Mount", Number of Bidirectional Channels=1, Number of Pins=2, Packaging="Cut Tape", Polarity=Bidirectional, Pricing 1="1=0,27000 (USD)", REACH SVHC=Unknown, RoHS=Yes, RoHS Compliant=Yes, Stock 1=1000, Supplier 1=Digi-Key
D201 D202: library part DTVS-6V-DO-214AC, "TVS diode [Würth Elektronik] 824501600 TVS diode", Clamping Voltage=10.3V, Manufacturer="Wurth Electronics", Max Breakdown Voltage=7.02V, Max Operating Temperature=150°C, Min Operating Temperature=-65°C, Peak Pulse Current=38.8A, Peak Pulse Power=400W, Power Line Protection=No, Resistor Type=Zener, Reverse Standoff Voltage=6V, Supplier Part Number 1=710-824501600, .Creator=DO, Category="TVS Diodes", ComponentLink1Description="Where buy it", ComponentLink1URL=https://www.we-online.com/catalog/en/WE-TVSP?sq=824501600#824501600, ComponentLink2Description=http://www.farnell.com/datasheets/2036401.pdf?src-supplier=Element14, ComponentLink2URL=http://www.farnell.com/datasheets/2036401.pdf?src-supplier=Element14, ComponentLink3Description=https://katalog.we-online.de/pbs/datasheet/824501600.pdf?src-supplier=Digi-Key, ComponentLink3URL=https://katalog.we-online.de/pbs/datasheet/824501600.pdf?src-supplier=Digi-Key, Manufacturer Part Number=824501600, Min Breakdown Voltage=7.02V, Mount="Surface Mount", Number of Bidirectional Channels=1, Number of Pins=2, Packaging="Cut Tape", Polarity=Bidirectional, Pricing 1="1=0,28000, 10=0,26100, 50=0,26100, 100=0,23400, 500=0,20400, 1000=0,17400, 10000=0,17400 (USD)", REACH SVHC=Unknown, RoHS=Yes, RoHS Compliant=Yes, Stock 1=780, Supplier 1=Mouser
D205 D206: library part LEDRS-0805-150, "0805(H=0.8mm) 红色 高亮 λD=625nm VF=2V IF=30mA PD=72mW", Case Code (Imperial)=0805, Case Code (Metric)=2012, Color=Red, Forward Current=30mA, Forward Voltage=2V, Manufacturer 1="Wurth Electronics", Max Operating Temperature=85°C, Min Operating Temperature=-40°C, Package Quantity=4000, Supplier Part Number 1=8154225P, Test Current=20mA, .Creator=DR, Case/Package=0805, Category=LEDs, ComponentLink1Description=Datasheet, ComponentLink1URL=https://www.we-online.com/catalog/datasheet/150080RS75000.pdf, ComponentLink2Description="Where buy it", ComponentLink2URL=https://katalog.we-online.de/en/led/WL-SMCW/150080RS75000, ComponentLink3Description=https://datasheet.ciiva.com/22656/150080rs75000-22656961.pdf?src-supplier=Element14, ComponentLink3URL=https://datasheet.ciiva.com/22656/150080rs75000-22656961.pdf?src-supplier=Element14, ComponentLink4Description=https://datasheet.ciiva.com/29279/759435-da-01-en-chipled-0805-w-kl-rot-150080rs75000-29279032.pdf?src-supplier=Conrad, ComponentLink4URL=https://datasheet.ciiva.com/29279/759435-da-01-en-chipled-0805-w-kl-rot-150080rs75000-29279032.pdf?src-supplier=Conrad, Dominant Wavelength=625nm, Height=0.7mm, Length=2mm, Lens Style=Clear,Rectangular, Luminous Intensity=150mcd, Manufacturer Part Number 1=150080RS75000, Mount="Surface Mount", Packaging="Tape and Reel", Pricing 1="50=0,19300, 500=0,12900, 1000=0,12300, 2000=0,11700, 4000=0,11100 (USD)", REACH SVHC=Unknown, RoHS=Yes, RoHS Compliant=Yes, Stock 1=1, Supplier 1=RSComponents, Viewing Angle=140°, Wavelength=625nm, Width=1.25mm